# Altium PCB PCB2.PcbDoc (continued)
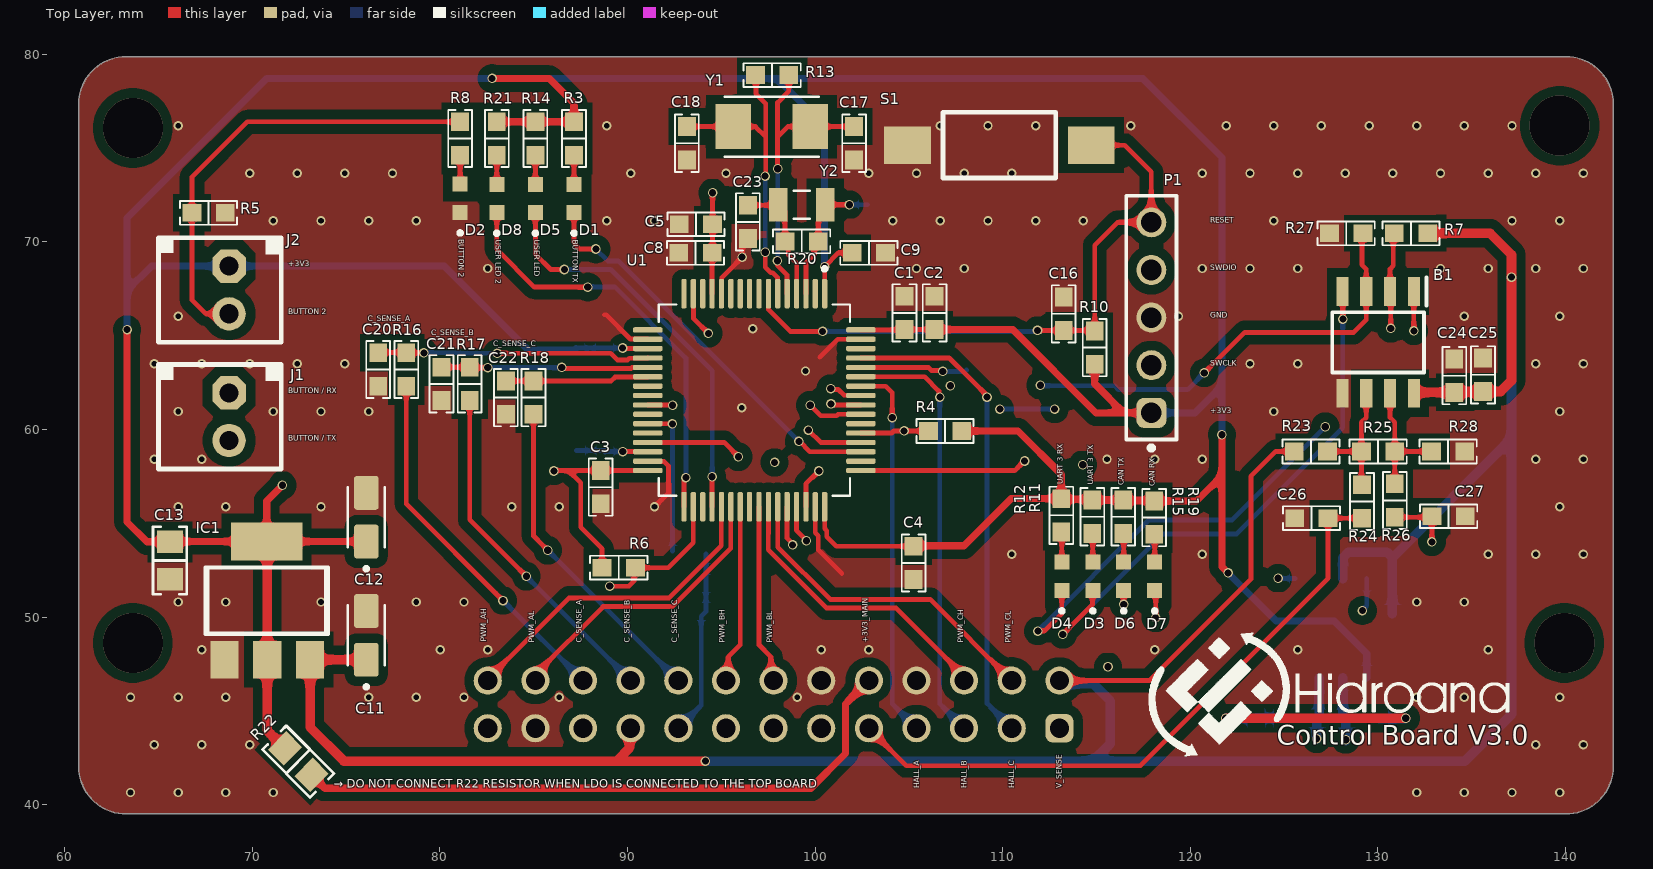
[diagram p0: Top Layer view]
## Footprints (in the part's own frame and the unit in brackets; to place one, negate y for a bottom-side part, rotate by r counter-clockwise, add the part's x,y. Pads: shape width x height; smd on the part's side, far side on the other; paste and mask are expansions set on the pad)
2PIN_100mil [mil]
  oct 70x70 hole 40.16 mask+1.97: 1(-50,0)
  round 70 hole 40.16 mask+1.97: 2(50,0)
  silkscreen extent -110,-148 110,110, body extent -98,-138 102,94, height 449
0603_CAP [mm]
  rect 1x0.95 smd mask+0.08: 1(-0.889,0) 2(0.889,0)
  silkscreen extent -1.52,-0.64 1.52,0.64, body extent -0.8,-0.4 0.8,0.4, height 0.96
0603_RES [mm]
  rect 1x0.95 smd mask+0.08: 1(-0.889,0) 2(0.889,0)
  silkscreen extent -1.52,-0.64 1.52,0.64, body extent -0.85,-0.4 0.85,0.4, height 0.56
0805_CAP [mm]
  rect 1.2x1.4 smd: 1(-1,0) 2(1,0)
  silkscreen extent -1.8,-0.9 1.8,0.9, body extent -1,-0.62 1,0.63, height 0.6
0805_RES [mm]
  rect 1.2x1.4 smd: 1(-1,0) 2(1,0)
  silkscreen extent -1.8,-0.9 1.8,0.9, body extent -1,-0.62 1,0.63, height 0.6
61300511121 [mm] "Pin Header, pitch 2.54 mm, THT, Vertical, single row, 5p"
  rrect50% 1.6x1.6 hole 1.1: 1(-5.08,0)
  round 1.6 hole 1.1: 2(-2.54,0) 3(0,0) 4(2.54,0) 5(5.08,0)
  silkscreen extent -7.07,-1.35 6.5,1.35, body extent -6.35,-1.27 6.35,1.27, height 8.57
61302621821 [mm] "Socket Header, Pitch 2.54 mm, THT, Vertical, dual row, 26p"
  rrect50% 1.5x1.5 hole 1.02: 1(-15.24,-1.27)
  round 1.5 hole 1.02: 2(-15.24,1.27) 3(-12.7,-1.27) 4(-12.7,1.27) 5(-10.16,-1.27) 6(-10.16,1.27) 7(-7.62,-1.27) 8(-7.62,1.27) 9(-5.08,-1.27) 10(-5.08,1.27) 11(-2.54,-1.27) 12(-2.54,1.27) 13(0,-1.27) 14(0,1.27) 15(2.54,-1.27) 16(2.54,1.27) 17(5.08,-1.27) 18(5.08,1.27) 19(7.62,-1.27) 20(7.62,1.27) 21(10.16,-1.27) 22(10.16,1.27) 23(12.7,-1.27) 24(12.7,1.27) 25(15.24,-1.27) 26(15.24,1.27)
  silkscreen extent -16.89,-3.22 16.89,2.62, body extent -16.76,-2.54 16.76,2.54, height 8.45
Button [mm] "SWITCH TACT 6.00x3.50 4.30mm 260gF SMT V/T"
  rect 2.5x2 smd mask+0.102: 1(-4.9,0) 2(4.9,0)
  silkscreen extent -3,-1.75 3,1.75, body extent -4,-1.75 4,1.75, height 2.6
CAPMP3216X180N [mm]
  rrect25% 1.81x1.32 smd: 1(-1.3,0) 2(1.3,0)
  silkscreen extent -2.85,-0.98 1.6,0.98
LED_SM0603UYC [mm]
  rect 0.8x0.8 smd: A(0.75,0) C(-0.75,0)
  silkscreen extent -1.95,-0.1 -1.75,0.1, body extent -0.8,-0.4 0.8,0.4, height 0.6
QFP50P1200X1200X160-64N [mm]
  rrect50% 1.56x0.28 smd: 1(-5.68,3.75) 2(-5.68,3.25) 3(-5.68,2.75) 4(-5.68,2.25) 5(-5.68,1.75) 6(-5.68,1.25) 7(-5.68,0.75) 8(-5.68,0.25) 9(-5.68,-0.25) 10(-5.68,-0.75) 11(-5.68,-1.25) 12(-5.68,-1.75) 13(-5.68,-2.25) 14(-5.68,-2.75) 15(-5.68,-3.25) 16(-5.68,-3.75) 33(5.68,-3.75) 34(5.68,-3.25) 35(5.68,-2.75) 36(5.68,-2.25) 37(5.68,-1.75) 38(5.68,-1.25) 39(5.68,-0.75) 40(5.68,-0.25) 41(5.68,0.25) 42(5.68,0.75) 43(5.68,1.25) 44(5.68,1.75) 45(5.68,2.25) 46(5.68,2.75) 47(5.68,3.25) 48(5.68,3.75)
  rrect50% 0.28x1.56 smd: 17(-3.75,-5.68) 18(-3.25,-5.68) 19(-2.75,-5.68) 20(-2.25,-5.68) 21(-1.75,-5.68) 22(-1.25,-5.68) 23(-0.75,-5.68) 24(-0.25,-5.68) 25(0.25,-5.68) 26(0.75,-5.68) 27(1.25,-5.68) 28(1.75,-5.68) 29(2.25,-5.68) 30(2.75,-5.68) 31(3.25,-5.68) 32(3.75,-5.68) 49(3.75,5.68) 50(3.25,5.68) 51(2.75,5.68) 52(2.25,5.68) 53(1.75,5.68) 54(1.25,5.68) 55(0.75,5.68) 56(0.25,5.68) 57(-0.25,5.68) 58(-0.75,5.68) 59(-1.25,5.68) 60(-1.75,5.68) 61(-2.25,5.68) 62(-2.75,5.68) 63(-3.25,5.68) 64(-3.75,5.68)
  silkscreen extent -7.1,-5.1 5.1,5.1
SOIC127P600X175-8N [mm]
  rect 1.525x0.65 smd: 1(-2.712,1.905) 2(-2.712,0.635) 3(-2.712,-0.635) 4(-2.712,-1.905) 5(2.712,-1.905) 6(2.712,-0.635) 7(2.712,0.635) 8(2.712,1.905)
  silkscreen extent -3.47,-2.45 1.6,2.58, body extent -3,-2.45 3,2.45, height 1.75
SOT96-1 [mm]
  rect 0.6x1.3 smd: 1(-1.905,-2.65) 2(-0.635,-2.65) 3(0.635,-2.65) 4(1.905,-2.65) 5(1.905,2.65) 6(0.635,2.65) 7(-0.635,2.65) 8(-1.905,2.65)
  silkscreen extent -2.4,-1.9 2.4,1.91, body extent -2.45,-3 2.45,3, height 1.75
SOT223 [mil]
  rect 59x79 smd: 1(-89,-124) 2(1,-124) 3(91,-124)
  rect 150x79 smd: 4(0,124)
  silkscreen extent -129,-70 129,70, body extent -138,-128 138,128, height 71
XTAL_ABM3-8.000MHZ-D2Y-T [mm]
  rect 1.9x2.4 smd: 1(-2.05,0) 2(2.05,0)
  silkscreen extent -2.5,-1.6 2.5,1.6, body extent -2.5,-1.6 2.5,1.6, height 1.3
XTAL_CC7V-T1A-32.768KHZ-9PF-20PPM-TA-QC [mm]
  rect 1x1.8 smd: 1(-1.25,0) 2(1.25,0)
  silkscreen extent -0.43,-0.75 0.43,0.75, body extent -1.6,-0.75 1.6,0.75, height 0.9

## Part data
B1: "RS-422/RS-485 Interface IC RS-485 I/F TRANSCEIVER", Manufacturer_Name="Analog Devices", Mouser Part Number=584-ADM485ARZ-R, Arrow Part Number=ADM485ARZ-REEL, Arrow Price/Stock=https://www.arrow.com/en/products/adm485arz-reel/analog-devices?region=nac, Datasheet Link=https://www.analog.com/media/en/technical-documentation/data-sheets/adm485.pdf, Geometry.Height=1.75mm, Manufacturer_Part_Number=ADM485ARZ-REEL, Mouser Price/Stock=https://www.mouser.co.uk/ProductDetail/Analog-Devices/ADM485ARZ-REEL?qs=BpaRKvA4VqEQkRKEKZjbCg%3D%3D
C1 C2 C3 C4 C5 C6 C7 C8 C9 C10 C14 C15 C16 C17 C18 C19 C20 C21 C22 C23 C24 C25 C26 C27 C28 C29: library part CAP_0603, "CL10B105KO8NNNC - MLCC (1608) 0603 1uF 16VDC ±10% X7R"
C11 C12: "10ÂµF Molded Tantalum Capacitors 16V 1206 (3216 Metric) 3Ohm", Package="1206 AVX", Arrow_Electronics-Purchase-URL=https://snapeda.com/shop?store=Arrow+Electronics&id=47127, Availability=Warning, Check_prices=https://www.snapeda.com/parts/TAJA106K016RNJ/AVX%20/%20Kyocera/view-part/47127/?ref=eda, MF=AVX, Mouser-Purchase-URL=https://snapeda.com/shop?store=Mouser&id=47127, MP=TAJA106K016RNJ, Price=None, SnapEDA_Link=https://www.snapeda.com/parts/TAJA106K016RNJ/AVX%20/%20Kyocera/view-part/47127/?ref=snap
C13: library part CAP_0805
D1 D2 D3 D4 D5 D6 D7 D8: "LED SMD 0603 Ultra Yellow 593nm 70mcd Water Clear Lens 130 Deg Viewing Angle", Package="0603 Bivar", Check_prices=https://www.snapeda.com/parts/SM0603UYC/Bivar/view-part/?ref=eda, MF=Bivar, MP=SM0603UYC, SnapEDA_Link=https://www.snapeda.com/parts/SM0603UYC/Bivar/view-part/?ref=snap
IC1: "Linear Voltage Regulator IC Positive Fixed 1 Output 800mA SOT-223", Package="SOT-223 STMicroelectronics", Check_prices=https://www.snapeda.com/parts/LD1117S33CTR/STMicroelectronics/view-part/?ref=eda, MF=STMicroelectronics, MP=LD1117S33CTR, SnapEDA_Link=https://www.snapeda.com/parts/LD1117S33CTR/STMicroelectronics/view-part/?ref=snap
J1 J2: library part "2 Pin Socket", "2pin Socket 100mil"
J5: "WR-PHD Socket Header, THT, Vertical, pitch 2.54mm, 2 Row, 26P", Contact Resistance=20mOhm, manufacturer="Wurth Elektronik", Operating Temperature Max=125°C, Operating Temperature Min=-40°C, Rated Current=3A, Withstanding Voltage=500V, Working Voltage=250V, Category="Board-to-Board Connectors", componentlink1description="Website Link", componentlink1url=https://www.we-online.com/redexpert/article/61302621821?ad, componentlink2description="Datasheet Link", componentlink2url=https://www.we-online.com/redexpert/spec/61302621821?ad, Gender="Socket Header", Manufacturer Part Number=61302621821, Match Code=WR-PHD, Mount="Through Hole", Number of Pins=26, Number of Rows=2, Orientation=Vertical, packaging=Tray, Pitch=2.54mm
P1: "WR-PHD Pin Header, THT, Vertical, pitch 2.54mm, 1 Row, 5P", Contact Resistance=20mOhm, manufacturer="Wurth Elektronik", Operating Temperature Max=105°C, Operating Temperature Min=-40°C, Rated Current=3A, Withstanding Voltage=500V, Working Voltage=250V, Category="Board-to-Board Connectors", componentlink1description="Website Link", componentlink1url=https://www.we-online.com/redexpert/article/61300511121?ad, componentlink2description="Datasheet Link", componentlink2url=https://www.we-online.com/redexpert/spec/61300511121?ad, Gender="Pin Header", Manufacturer Part Number=61300511121, Match Code=WR-PHD, Mount="Through Hole", Number of Pins=5, Number of Rows=1, Orientation=Vertical, packaging=Bag, Pitch=2.54mm
R1 R2 R3 R4 R5 R6 R7 R8 R9 R10 R11 R12 R13 R14 R15 R16 R17 R18 R19 R20 R21 R23 R24 R25 R26 R27 R28: library part RES_0603, "0603", Power=1/8W
R22: library part RES_0805, "0805", Power="1/8 W"
R29 R30: library part "1k Ohms"
S1: "DTSMF-31R-V-T/R - SWITCH TACT 6.00x3.50 4.30mm 260gF SMT V/T", componentlink1description=özdisan, componentlink1url=https://ozdisan.com/elektromekanik-komponentler/sivicler-ve-anahtarlar/tact-sivicler/DTSMF-31R-V-TR
U1: "MCU 32-Bit STM32 ARM Cortex M4 RISC 512KB Flash 2.5V/3.3V 64-Pin LQFP Tray", Package=None, Availability=Unavailable, MP=STM32F446RET6, Price=None
U2: "1/1 ÐŸÑ€Ð¸ÐµÐ¼Ð¾Ð¿ÐµÑ€ÐµÐ´Ð°Ñ‚Ñ‡Ð¸Ðº ÐŸÐ¾Ð»Ð¾Ð²Ð¸Ð½Ð° CANbus 8-SO", Package="SO-8 NXP Semiconductors", Availability="In Stock", Check_prices=https://www.snapeda.com/parts/TJA1051T/3/NXP+USA+Inc./view-part/?ref=eda, MF="NXP USA", MP=TJA1051T/3, Price=None, Purchase-URL=https://pricing.snapeda.com/search/part/TJA1051T/3/?ref=eda, SnapEDA_Link=https://www.snapeda.com/parts/TJA1051T/3/NXP+USA+Inc./view-part/?ref=snap
Y1: "8 MHz Â±20ppm Crystal 18pF 140 Ohms 2-SMD, No Lead", Package="SMD-2 Abracon", Availability="In Stock", Check_prices=https://www.snapeda.com/parts/ABM3-8.000MHZ-D2Y-T/Abracon+LLC/view-part/?ref=eda, MF=Abracon, MP=ABM3-8.000MHZ-D2Y-T, Price=None, Purchase-URL=https://pricing.snapeda.com/search/part/ABM3-8.000MHZ-D2Y-T/?ref=eda, SnapEDA_Link=https://www.snapeda.com/parts/ABM3-8.000MHZ-D2Y-T/Abracon+LLC/view-part/?ref=snap
Y2: "LOW FREQUENCY CRYSTAL", Package="SMD-2 Micro Crystal", Check_prices=https://www.snapeda.com/parts/CC7V-T1A-32.768kHz-9pF-20PPM-TA-QC/Micro+Crystal/view-part/?ref=eda, MF="Micro Crystal", MP=CC7V-T1A-32.768kHz-9pF-20PPM-TA-QC, SnapEDA_Link=https://www.snapeda.com/parts/CC7V-T1A-32.768kHz-9pF-20PPM-TA-QC/Micro+Crystal/view-part/?ref=snap

## Via types
v1: diameter 0.5, hole 0.3, Top Layer to Bottom Layer, tented both sides, 137 vias
v2: diameter 0.508, hole 0.381, Top Layer to Bottom Layer, tented both sides, 74 vias
v3: diameter 3.2, hole 3.2, Top Layer to Bottom Layer, 4 vias

## Nets (pads, with @x,y where several pads share a name; then routed paths per layer and width w, separated by ;. In a path a pad name is that pad's centre, name@x,y a point inside that pad or via, vN(x,y) a via of type N, cw(c..) or ccw(c..) an arc to the next point about the centre after c; other vN are vias at no path point)
+3V3: C1.1 C2.1 C3.1 C4.1 C5.1 C6.1 C7.1 C8.1 C9.1 C12.1 C13.2 IC1.2 IC1.4 J2.1 P1.1 R3.1 R4.2 R6.2 R10.2 R11.1 R12.1 R14.1 R15.1 R19.1 R21.1 R22.1 U1.1 U1.13 U1.19 U1.32 U1.48 U1.64 U2.5 | length 297.8
  Top Layer w0.254: v2(86.081,57.785) 86.106,57.81 86.843,57.81 ; C3.1 86.843,57.81 ; C3.1@88.595,57.81 U1.32 ; R6.2 88.646,53.645 87.503,54.788 87.503,57.15 86.843,57.81 ; v2(89.738,64.343) 89.752,64.343 89.785,64.31 U1.19 ; U1.13 94.512,69.417 C8.1 94.539,69.444 C5.1 v2(94.539,72.619) ; U1.48 100.512,54.719 100.627,54.604 100.627,54.287 101.143,53.772 C4.1 C4.1@105.283,53.797 ; U1.1 v2(100.512,68.686) 101.244,69.418 C9.1 ; U1.64 104.756,65.31 C1.1 C2.1
  Top Layer w0.381: v2(63.322,65.329) 63.322,55.067 64.38,54.01 C13.2 ; C13.2@65.624,54.026 IC1.4 ; v2(71.603,57.023) 70.764,56.185 IC1.4 ; C12.1@76.073,53.97 76.018,54.026 IC1.4 ; v2(82.779,78.715) 85.827,78.715 87.147,77.394 R3.1 R14.1 R21.1 ; C4.1@105.283,53.797 107.95,53.797 110.465,56.312 R12.1 ; C2.1 110.541,65.329 114.986,60.884 116.459,60.884 ; R4.2 110.82,59.919 113.132,57.607 R12.1 ; R10.2 114.91,62.433 116.459,60.884 ; P1.1 116.459,60.884 ; v2(121.691,59.715) 121.691,57.531 ; v2(122.022,52.349) 121.691,52.68 121.691,57.531 ; R12.1 113.17,56.274 114.745,56.274 R11.1 R15.1 116.459,56.21 118.059,56.21 R19.1 120.345,56.185 121.691,57.531
  Top Layer w0.508: IC1.4 70.79,54 IC1.2 70.79,43.993 ; 70.841,43.891 R22.1
  Int1 (GND) w0.381: v2(71.603,57.023) 72.365,57.785 v2(86.081,57.785)
  Int2 (PWR) w0.254: v2(82.779,78.715) 89.789,78.715 94.539,73.965 v2(94.539,72.619)
  Bottom Layer w0.254: C6.1 87.274,64.338 C7.1 88.778,64.343 v2(89.738,64.343)
  Bottom Layer w0.381: v2(63.322,65.329) 63.322,67.412 ; C6.1 87.173,64.237 84.709,64.237 80.239,68.707 J2.1 64.618,68.707 63.322,67.412 ; v2(100.512,68.686) 100.512,76.17 97.968,78.715 ; P1.1 120.244,60.884 121.691,62.332 ; v2(121.691,59.715) 121.691,62.332 ; v2(122.022,52.349) 124.59,49.781 127.689,49.781 129.413,48.057 U2.5 ; 63.322,67.412 63.322,71.272 70.764,78.715 v2(82.779,78.715) 97.968,78.715 ; 97.968,78.715 117.475,78.715 121.691,74.498 121.691,62.332
+5: B1.8 C11.1 C24.1 C25.1 C28.2 IC1.3 J5.2 J5.19 R7.2 R23.2 U2.3 | length 158.5
  Top Layer w0.254: J5.2 117.831,46.609 123.239,52.017 123.239,52.932 123.241,52.934 123.241,57.506 124.562,58.826 R23.2
  Top Layer w0.508: C11.1 73.08,47.722 IC1.3 73.076,44.12 74.879,42.316 v2(94.158,42.316) ; 89.425,42.333 90.104,43.013 90.104,44.003 J5.19 ; B1.8 131.973,61.976 C24.1 134.112,62.001 135.585,62.001 135.606,62.022 136.55,62.022 137.135,62.607 v2(137.135,68.123) 137.135,69.317 135.992,70.46 R7.2
  Bottom Layer w0.508: v2(94.158,42.316) 114.808,42.316 ; J5.2 113.192,46.447 114.817,46.447 115.748,45.517 115.748,43.256 114.808,42.316 ; U2.3 128.143,53.162 128.441,53.46 130.487,53.46 130.785,53.162 ; C28.2 130.785,53.162 ; v2(137.135,68.123) 137.135,59.512 ; 114.808,42.316 134.645,42.316 137.135,44.806 137.135,59.512 ; 130.785,53.162 137.135,59.512
BUTTON_2: J2.2 R5.1 R8.1 U1.55 | length 60.3
  Top Layer w0.254: J2.2 67.513,66.167 66.777,66.904 R5.1 66.777,73.457 69.723,76.403 R8.1 ; v2(99.746,61.29) 100.305,60.731 101.15,60.731 101.228,60.81 U1.55
  Int2 (PWR) w0.254: J2.2 94.869,66.167 v2(99.746,61.29)
CAN_H: J5.13 R30.1 U2.7 | length 34.2
  Int2 (PWR) w0.254: J5.13 100.051,41.808 125.505,41.808 126.746,43.049 v2@126.746,43.485
  Bottom Layer w0.508: v2@126.746,43.485 R30.1 126.873,44.729 U2.7
  other v2: 126.746,43.51
CAN_L: J5.15 R29.1 U2.6 | length 39
  Int2 (PWR) w0.254: J5.15 98.476,40.843 126.035,40.843 128.295,43.104 v2@128.295,43.409
  Bottom Layer w0.508: U2.6 128.143,44.729 R29.1 v2@128.295,43.409
  other v2: 128.295,43.459
CAN_RX: D7.C U1.44 U2.4 | length 37.6
  Top Layer w0.254: U1.44 98.512,54.211 98.806,53.917 v2(98.806,53.848) ; D7.C 118.161,51.371 v2(118.161,49.962)
  Int1 (GND) w0.254: v2(98.806,53.848) 102.692,49.962 128.778,49.962 v2@129.159,50.343
  Bottom Layer w0.254: v2@129.159,50.343 129.413,50.597 U2.4
  other v2: 129.184,50.343
CAN_TX: D6.C U1.45 U2.1 | length 30.8
  Top Layer w0.254: U1.45 99.011,55.879 99.011,54.621 99.535,54.096 v2(99.535,54.068) ; v2(116.459,50.673) D6.C
  Int1 (GND) w0.254: v2(99.535,54.068) 101.22,52.383 102.931,50.673 v2(116.459,50.673) 123.292,50.673 v2@124.672,52.053
  Bottom Layer w0.254: v2@124.672,52.053 U2.1
  other v2: 124.689,52.07
ENABLE: J5.21 R4.1 U1.53 | length 28.9
  Top Layer w0.254: U1.53 104.089,59.81 104.198,59.919 v2(104.75,59.919) R4.1
  Int1 (GND) w0.254: J5.21 88.875,45.314 88.875,47.905 94.902,53.932 94.928,53.932 100.965,59.969 104.685,59.969 104.736,59.919 v2(104.75,59.919)
FWD/REV: J5.25 R6.1 U1.34 | length 19.5
  Top Layer w0.254: v2(89.052,51.646) 90.076,51.646 90.352,51.922 90.352,52.557 R6.1 92.177,52.629 93.512,53.964 U1.34
  Int2 (PWR) w0.254: J5.25 83.82,45.339 83.82,48.997 86.469,51.646 v2(89.052,51.646)
GND: B1.5 C1.2 C2.2 C3.2 C4.2 C5.2 C6.2 C7.2 C8.2 C9.2 C10.2 C11.2 C12.2 C13.1 C14.2 C15.2 C16.2 C17.1 C18.1 C19.1 C20.2 C21.2 C22.2 C23.1 C24.2 C25.2 C26.1 C27.2 C28.1 C29.2 D2.C IC1.1 J5.8 J5.12 J5.23 P1.3 R2.1 R5.2 R9.2 R27.1 R28.1 S1.1 U1.12 U1.18 U1.31 U1.47 U1.63 U2.2 U2.8 | length 16.8
  Top Layer w0.254: 88.773,66.116 88.863,66.116 90.157,64.823 91.069,64.823 U1.18 ; U1.31 91.095,58.297 91.941,58.297 92.192,58.046 92.192,56.632 v1(91.44,55.88) ; U1.12 95.025,67.253 95.025,68.101 v2(96.114,69.19) 96.114,69.875 C23.1 ; U1.47 100.012,54.49 100.17,54.331 100.17,53.576 101.422,52.324 ; 100.254,63.856 101.208,64.81 U1.63
  other v1: 63.5,40.64 66.04,40.64 68.58,40.64 71.12,40.64 132.08,40.64 134.62,40.64 137.16,40.64 139.7,40.64 64.77,43.18 67.31,43.18 69.85,43.18 138.43,43.18 140.97,43.18 63.5,45.72 66.04,45.72 68.58,45.72 76.2,45.72 78.74,45.72 81.28,45.72 86.36,45.72 99.06,45.72 119.38,45.72 132.08,45.72 134.62,45.72 139.7,45.72 67.31,48.26 80.01,48.26 82.55,48.26 100.33,48.26 102.87,48.26 118.11,48.26 125.73,48.26 135.89,48.26 66.04,50.8 68.58,50.8 73.66,50.8 78.74,50.8 81.28,50.8 132.08,50.8 134.62,50.8 110.49,53.34 120.65,53.34 135.89,53.34 138.43,53.34 140.97,53.34 66.04,55.88 68.58,55.88 73.66,55.88 83.82,55.88 86.36,55.88 139.7,55.88 64.77,58.42 67.31,58.42 115.57,58.42 118.11,58.42 120.65,58.42 138.43,58.42 140.97,58.42 66.04,60.96 71.12,60.96 73.66,60.96 76.2,60.96 124.46,60.96 139.7,60.96 96.088,61.163 99.492,63.119 64.77,63.5 67.31,63.5 69.85,63.5 72.39,63.5 74.93,63.5 123.19,63.5 125.73,63.5 138.43,63.5 140.97,63.5 96.672,65.38 66.04,66.04 119.38,66.04 134.62,66.04 139.7,66.04 82.55,68.58 105.41,68.58 107.95,68.58 120.65,68.58 123.19,68.58 125.73,68.58 133.35,68.58 135.89,68.58 138.43,68.58 140.97,68.58 71.12,71.12 73.66,71.12 76.2,71.12 78.74,71.12 88.9,71.12 91.44,71.12 104.14,71.12 106.68,71.12 109.22,71.12 111.76,71.12 114.3,71.12 124.46,71.12 137.16,71.12 139.7,71.12 69.85,73.66 72.39,73.66 74.93,73.66 77.47,73.66 90.17,73.66 95.25,73.66 102.87,73.66 105.41,73.66 107.95,73.66 110.49,73.66 120.65,73.66 123.19,73.66 125.73,73.66 128.27,73.66 130.81,73.66 133.35,73.66 135.89,73.66 138.43,73.66 140.97,73.66 66.04,76.2 88.9,76.2 106.68,76.2 109.22,76.2 111.76,76.2 116.84,76.2 121.92,76.2 124.46,76.2 127,76.2 129.54,76.2 132.08,76.2 134.62,76.2 137.16,76.2
HA: J5.7 U1.58 | length 20.2
  Top Layer w0.254: U1.58 103.769,62.31 104.115,61.964 v2(104.115,60.63)
  Bottom Layer w0.254: v2(104.115,60.63) 104.115,45.364 J5.7
HB: J5.5 U1.59 | length 23
  Top Layer w0.254: U1.59 105.846,62.81 106.606,62.05 106.606,61.771 v2(106.655,61.722)
  Bottom Layer w0.254: v2(106.655,61.722) 106.655,45.364 J5.5
HC: J5.3 U1.61 | length 25.8
  Top Layer w0.254: U1.61 107.158,63.81 108.139,62.829 109.042,61.926 109.042,61.918 109.169,61.791 v2(109.169,61.722)
  Bottom Layer w0.254: v2(109.169,61.722) 109.169,45.39 J5.3
NetB1_6: B1.6 R23.1 R24.2 R25.2 | length 6.8
  Top Layer w0.254: R23.1 R25.2 ; R24.2@129.134,57.048 R25.2 ; B1.6 129.388,60.63 129.134,60.376 R25.2
NetB1_7: B1.7 R25.1 R26.2 R28.2 | length 6.9
  Top Layer w0.254: B1.7 130.658,60.63 130.912,60.376 R25.1 ; R26.2@130.962,57.099 130.912,57.15 R25.1 ; R28.2 R25.1
NetC14_1: C14.1 C15.1 U1.30 | length 3.8
  Top Layer w0.254: v2@89.738,58.826 v2(89.746,58.818) 91.074,58.818 U1.30
  Bottom Layer w0.254: C14.1 C15.1 ; C15.1@88.798,58.801 88.824,58.826 v2@89.738,58.826
NetC29_1: C29.1 R29.2 R30.2 | length 14.1
  Top Layer w0.508: v2(121.895,44.602) v2(131.496,44.602)
  Bottom Layer w0.508: v2(121.895,44.602) C29.1@123.495,44.602 ; C29.1 123.533,44.615 124.955,44.615 R30.2 ; R29.2 131.47,44.577 v2(131.496,44.602)
NetD1_A: D1.A R3.2 | length 1.6
  Top Layer w0.254: D1.A R3.2
NetD2_A: D2.A R8.2 | length 1.5
  Top Layer w0.254: D2.A R8.2
NetD3_A: D3.A R11.2 | length 1.5
  Top Layer w0.254: R11.2 114.808,54.432 D3.A
NetD4_A: D4.A R12.2 | length 1.6
  Top Layer w0.254: R12.2 113.157,54.508 D4.A
NetD5_A: D5.A R14.2 | length 1.6
  Top Layer w0.254: D5.A R14.2
NetD6_A: D6.A R15.2 | length 1.5
  Top Layer w0.254: R15.2 116.459,54.432 D6.A
NetD7_A: D7.A R19.2 | length 1.5
  Top Layer w0.254: R19.2 118.11,54.381 D7.A
NetD8_A: D8.A R21.2 | length 1.6
  Top Layer w0.254: D8.A R21.2
NetJ5_10: J5.10 R22.2 | length 33.8
  Top Layer w0.381: R22.2@73.268,41.464 73.863,40.869 99.771,40.869 101.625,42.723 101.625,45.364 J5.10
NetJ5_18: J5.18 R18.1 | length 17.4
  Top Layer w0.254: R18.1 84.988,54.325 85.519,53.794 85.519,53.789 v2(85.75,53.557) v2@85.75,53.543
  Bottom Layer w0.254: v2@85.75,53.543 85.76,53.533 85.786,53.533 J5.18
NetJ5_20: J5.20 R17.1 | length 18.5
  Top Layer w0.254: R17.1 81.585,55.194 v2(84.607,52.172)
  Bottom Layer w0.254: v2(84.607,52.172) J5.20
NetJ5_22: J5.22 R16.1 | length 19.6
  Top Layer w0.254: R16.1 78.207,56.032 v2(83.363,50.876)
  Bottom Layer w0.254: v2(83.363,50.876) J5.22
NetR9_1: R9.1 U1.60 | length 5.8
  Top Layer w0.254: U1.60 106.045,63.31 106.213,63.142 106.758,63.142 v2(106.807,63.094)
  Bottom Layer w0.254: v2(106.807,63.094) 108.001,63.094 R9.1
OSC_IN_1: C19.2 R20.2 U1.3 Y2.2 | length 7.2
  Top Layer w0.254: U1.3 99.512,68.88 99.953,69.321 99.953,69.68 99.996,69.723 R20.2@100.124,69.723 ; R20.2 100.178,71.623 Y2.2 v2(101.829,71.984)
  Bottom Layer w0.254: v2(101.829,71.984) C19.2
OSC_IN_2: C17.2 R13.2 U1.5 Y1.2 | length 16.4
  Top Layer w0.254: v2(97.993,68.998) 97.993,68.751 98.512,68.232 U1.5 ; v2(98.009,73.898) 98.003,73.904 98.003,75.6 ; R13.2 98.603,78.029 98.003,77.429 98.003,75.6 ; C17.2 Y1.2 98.552,76.149 98.003,75.6
  Bottom Layer w0.254: v2@98.009,69.014 v2(98.009,73.898)
OSC_OUT_1: C23.2 R20.1 U1.4 Y2.1 | length 6.5
  Top Layer w0.254: C23.2 98.013,71.958 Y2.1 98.4,71.623 R20.1 ; R20.1@98.429,69.723 98.472,69.68 98.573,69.68 98.573,69.321 99.025,68.869 99.025,67.253 U1.4
OSC_OUT_2: C18.2 R13.1 U1.6 Y1.1 | length 16.7
  Top Layer w0.254: C18.2 Y1.1 96.825,76.149 97.374,75.6 ; R13.1@96.85,78.892 96.85,77.902 97.374,77.378 97.374,75.6 ; v2(97.333,73.508) 97.374,73.549 97.374,75.6 ; v2(97.346,69.449) 97.346,68.643 97.639,68.35 97.748,68.35 97.999,68.099 97.999,67.253 U1.6
  Bottom Layer w0.254: v2(97.333,73.508) 97.339,73.501 97.339,69.456 v2(97.346,69.449)
PA0: U1.14
PA1: J5.1 U1.15 | length 41.7
  Top Layer w0.254: U1.15 93.525,67.227 93.525,65.911 v2(94.31,65.126)
  Int1 (GND) w0.254: v2(94.31,65.126) 95.453,63.983 108.407,63.983 v2@114.249,58.141 ; J5.1 114.249,44.069 115.646,45.466 v2@115.646,47.269
  Int2 (PWR) w0.254: v2@114.249,58.141 115.646,56.744 v2@115.646,47.269
  other v2: 115.621,47.346 114.275,58.115
PA2: U1.16
PA3: U1.17
PA4: C20.1 R16.2 U1.20 | length 14.6
  Top Layer w0.254: C20.1@76.708,64.11 78.181,64.11 R16.2 v2(79.146,64.084) ; v2(83.058,64.059) 89.103,64.059 89.454,63.708 90.001,63.708 90.09,63.797 91.069,63.797 U1.20
  Bottom Layer w0.254: v2(79.146,64.084) 81.085,64.084 81.11,64.059 v2(83.058,64.059)
PA5: C21.1 R17.2 U1.21 | length 11.1
  Top Layer w0.254: C21.1 R17.2 81.61,63.297 v2(82.55,63.297) ; v2(86.497,63.312) 86.565,63.312 86.627,63.251 90.191,63.251 90.236,63.297 91.069,63.297 U1.21
  Bottom Layer w0.254: v2(82.55,63.297) 86.448,63.297 86.473,63.322 v2@86.487,63.322
PA6: C22.1 R18.2 U1.22 | length 7.7
  Top Layer w0.254: C22.1 R18.2 89.129,62.586 89.337,62.794 90.38,62.794 90.382,62.797 91.069,62.797 U1.22
PA7: U1.23
PA15: U1.50
PB0: U1.26
PB1: R1.2 U1.27 | length 8.1
  Top Layer w0.254: U1.27 92.38,60.31 v2(92.395,60.295)
  Bottom Layer w0.254: R1.2@92.395,53.508 v2(92.395,60.295)
PB2: U1.28
PB4: B1.2 R7.1 U1.56 | length 38.8
  Top Layer w0.254: v2(100.852,61.366) 100.908,61.31 U1.56 ; v2@130.699,65.389 130.699,67.314 B1.2 130.658,68.555 130.835,68.732 130.835,70.409 R7.1
  Int1 (GND) w0.254: v2(100.852,61.366) 105.181,61.366 105.461,61.087 v2(109.855,61.087) ; v2@112.852,61.087 115.164,61.087 116.205,62.128 127.838,62.128 130.708,64.999 130.708,65.38 v2(130.7,65.388)
  Bottom Layer w0.254: v2@109.804,61.087 v2@112.852,61.087
  other v2: 112.776,61.087
PB5: B1.3 R27.2 U1.57 | length 36.8
  Top Layer w0.254: v2(100.838,62.179) 100.887,62.131 101.242,62.131 101.55,61.823 102.429,61.823 U1.57 ; v2(120.752,63.017) 122.911,65.176 128.727,65.176 129.388,65.837 B1.3 129.388,68.555 129.159,68.783 R27.2@129.159,70.46
  Int1 (GND) w0.254: v2(100.838,62.179) 102.341,62.179 102.417,62.103 103.851,62.103 104.105,62.357 107.188,62.357 v2(107.213,62.332)
  Int2 (PWR) w0.254: v2(107.213,62.332) 107.239,62.357 v2(112.014,62.357)
  Bottom Layer w0.254: v2@112.039,62.332 115.971,62.332 116.174,62.128 119.863,62.128 v2(120.752,63.017)
PB9: U1.62
PB10: B1.4 D3.C U1.29 | length 56.8
  Top Layer w0.254: U1.29 95.147,59.31 v2(95.91,58.547) ; v2(113.208,49.073) 114.792,50.657 114.792,51.405 D3.C ; B1.4 128.143,67.33 v2(128.143,65.888)
  Int2 (PWR) w0.254: v2(95.91,58.547) 99.754,54.703 99.798,54.703 106.166,48.336 112.471,48.336 v2(113.208,49.073)
  Bottom Layer w0.254: v2(113.208,49.073) 118.567,54.432 122.479,54.432 128.143,60.096 v2(128.143,65.888)
PB12: D8.C U1.33 | length 22.3
  Top Layer w0.254: 83.033,69.621 D8.C ; 83.073,69.556 85.039,67.589 v2(87.884,67.589) ; U1.33 93.012,57.256 93.116,57.361 v2(93.116,57.429)
  Bottom Layer w0.254: v2(87.884,67.589) 87.894,67.599 89.322,67.599 93.116,63.805 v2(93.116,57.429)
PB14: U1.35
PB15: D5.C U1.36 | length 21.5
  Top Layer w0.254: D5.C 85.09,69.342 85.903,68.529 v2(86.639,68.529) ; U1.36@94.513,55.881 v2(94.513,57.48)
  Bottom Layer w0.254: v2(86.639,68.529) 89.103,68.529 94.513,63.119 v2(94.513,57.48)
PC0: U1.8
PC1: U1.9
PC2: U1.10
PC3: U1.11
PC4: U1.24
PC5: B1.1 D4.C U1.25 | length 57.7
  Top Layer w0.254: U1.25 92.372,61.31 92.391,61.29 v2@92.405,61.29 ; v2(111.887,49.251) 111.904,49.268 112.26,49.268 113.157,50.165 D4.C ; v2(131.928,65.253) B1.1
  Int1 (GND) w0.254: v2@92.405,61.29 94.767,61.29 v2@97.79,58.268
  Int2 (PWR) w0.254: v2@97.79,58.268 106.807,49.251 v2(111.887,49.251) ; v2@127.254,60.173 131.928,64.846 v2(131.928,65.253)
  Bottom Layer w0.254: v2(111.887,49.251) 114.838,52.202 114.838,52.227 117.78,55.169 122.225,55.169 v2(127.203,60.147)
  other v2: 97.841,58.242 92.408,61.29
PC9: U1.40
PC13: U1.2
PD2: U1.54
PWM_AH: J5.26 U1.37 | length 17.6
  Top Layer w0.254: J5.26@82.541,46.685 86.866,51.011 92.209,51.011 95.003,53.804 U1.37@95.003,55.956
PWM_AL: J5.24 U1.38 | length 15.8
  Top Layer w0.254: J5.24@85.081,46.685 85.081,46.939 88.695,50.554 92.399,50.554 95.503,53.658 U1.38@95.503,55.956
PWM_BH: J5.16 U1.39 | length 9.5
  Top Layer w0.254: J5.16@95.377,46.609 95.377,47.879 96.012,48.514 U1.39
PWM_BL: J5.14 U1.41 | length 9.5
  Top Layer w0.254: U1.41 97.012,48.514 97.647,47.879 J5.14@97.647,46.609
PWM_CH: J5.6 U1.42 | length 15.8
  Top Layer w0.254: U1.42 97.512,54.437 97.511,54.436 97.511,53.583 100.616,50.477 104.32,50.477 107.934,46.863 J5.6@107.934,46.609
PWM_CL: J5.4 U1.43 | length 17.6
  Top Layer w0.254: U1.43 98.012,53.728 100.805,50.934 106.149,50.934 J5.4@110.474,46.609
RESET: C16.1 P1.5 R10.1 S1.2 U1.7 | length 33.3
  Top Layer w0.254: U1.7 97.525,67.227 97.525,66.381 98.679,65.227 v2(100.406,65.227) ; v2(111.862,65.278) C16.1 114.884,65.278 R10.1 114.91,69.825 116.129,71.044 P1.5 117.932,73.736 116.51,75.159 S1.2
  Bottom Layer w0.254: v2(100.406,65.227) 111.797,65.227 111.848,65.278 v2(111.862,65.278)
RS485+: C26.2 J5.9 R24.1 | length 34.5
  Top Layer w0.254: J5.9 104.873,42.066 117.352,42.066 127.356,52.07 C26.2 R24.1
RS485-: C27.1 J5.11 R26.1 | length 48
  Top Layer w0.254: R26.1 132.842,55.321 C27.1 v2(132.893,54)
  Int1 (GND) w0.254: J5.11 103.276,41.123 129.413,41.123 132.893,44.602 v2(132.893,54)
"RX / BUTTON": J1.1 U1.52 | length 34.8
  Top Layer w0.254: v2(99.644,59.969) 100.304,59.31 U1.52
  Int2 (PWR) w0.254: J1.1@68.758,62.001 97.612,62.001 v2(99.644,59.969)
SPEED: C10.1 J5.17 R1.1 R2.2 | length 9.9
  Bottom Layer w0.254: J5.17 93.929,45.288 93.929,50.038 R2.2 94.183,51.829 R1.1@94.183,53.365
SWCLK: P1.2 U1.49 | length 17.8
  Top Layer w0.254: U1.49 110.654,57.81 111.162,58.318 v2(111.176,58.318)
  Int2 (PWR) w0.254: v2(111.176,58.318) 116.281,63.424 P1.2
SWDIO: P1.4 U1.46 | length 24.4
  Top Layer w0.254: U1.46 99.512,57.094 v2(100.203,57.785)
  Int2 (PWR) w0.254: v2(100.203,57.785) 110.922,68.504 P1.4
"TX / BUTTON": D1.C J1.2 U1.51 | length 52
  Top Layer w0.254: 87.147,69.977 D1.C ; 87.188,69.886 87.452,69.621 v2(88.316,69.621) ; v2(99.136,59.36) 99.172,59.36 99.722,58.81 U1.51
  Int2 (PWR) w0.254: J1.2 69.007,59.66 98.836,59.66 v2(99.136,59.36)
  Bottom Layer w0.254: v2(88.316,69.621) 88.951,68.986 89.51,68.986 v2(99.136,59.36)
copper on no net:
  other v3: 63.627,48.616 139.954,48.616 63.627,76.073 139.7,76.2

## Polygon pours and split planes (outlines as drawn)
GND on Bottom Layer "GND_L04_P006" (solid, remove dead copper, pour order 6): 140.03,39.497 ccw(c140.03,42.037) 142.57,42.037 142.57,77.343 ccw(c140.03,77.343) 140.03,79.883 63.271,79.883 ccw(c63.271,77.343) 60.731,77.343 60.731,42.012 ccw(c63.246,42.012) 63.246,39.497
GND on Top Layer "GND_L01_P000" (solid, remove dead copper, pour order 0): 140.03,39.497 ccw(c140.03,42.037) 142.57,42.037 142.57,77.343 ccw(c140.03,77.343) 140.03,79.883 63.271,79.883 ccw(c63.271,77.343) 60.731,77.343 60.731,42.012 ccw(c63.246,42.012) 63.246,39.497

## Silkscreen, mask and mechanical layers (free items; w line width, h text height)
Top Overlay:
  drawing of 15 lines, arcs and shapes, not listed
  text "RESET" at 121.082,70.922 h0.51
  text "BUTTON 2" at 80.905,70.129 h0.51 r270
  text "USER LED 2" at 82.86,70.117 h0.51 r270
  text "USER LED" at 84.918,70.117 h0.51 r270
  text "BUTTON TX" at 86.975,70.117 h0.51 r270
  text "+3V3" at 71.907,68.586 h0.51
  text "SWDIO" at 121.082,68.382 h0.51
  text "BUTTON 2" at 71.907,66.046 h0.51
  text "GND" at 121.082,65.842 h0.51
  text "C_SENSE_A" at 76.149,65.673 h0.51
  text "C_SENSE_B" at 79.527,64.911 h0.51
  text "C_SENSE_C" at 82.855,64.327 h0.51
  text "SWCLK" at 121.082,63.302 h0.51
  text "BUTTON / RX" at 71.907,61.829 h0.51
  text "+3V3" at 121.082,60.762 h0.51
  text "BUTTON / TX" at 71.907,59.289 h0.51
  text "UART 3 RX" at 113.304,57.074 h0.51 r90
  text "UART 3 TX" at 114.929,57.048 h0.51 r90
  text "CAN TX" at 116.555,57.023 h0.51 r90
  text "CAN RX" at 118.231,56.972 h0.51 r90
  text "PWM_AH" at 82.587,48.692 h0.51 r90
  text "PWM_AL" at 85.136,48.616 h0.51 r90
  text "C_SENSE_A" at 87.676,48.616 h0.51 r90
  text "C_SENSE_B" at 90.216,48.616 h0.51 r90
  text "C_SENSE_C" at 92.756,48.616 h0.51 r90
  text "PWM_BH" at 95.296,48.616 h0.51 r90
  text "PWM_BL" at 97.836,48.616 h0.51 r90
  text "+3V3_MAIN" at 102.916,48.616 h0.51 r90
  text "PWM_CH" at 107.996,48.616 h0.51 r90
  text "PWM_CL" at 110.536,48.616 h0.51 r90
  text "Control Board V3.0" at 124.623,42.845 h1.78
  text "HALL_A" at 105.65,40.869 h0.51 r90
  text "HALL_B" at 108.19,40.869 h0.51 r90
  text "HALL_C" at 110.73,40.869 h0.51 r90
  text "V_SENSE" at 113.27,40.869 h0.51 r90
  text "→ DO NOT CONNECT R22 RESISTOR WHEN LDO IS CONNECTED TO THE TOP BOARD" at 74.346,40.725 h0.76